# KiCad board weisse_cpu.kicad_pcb (continued)
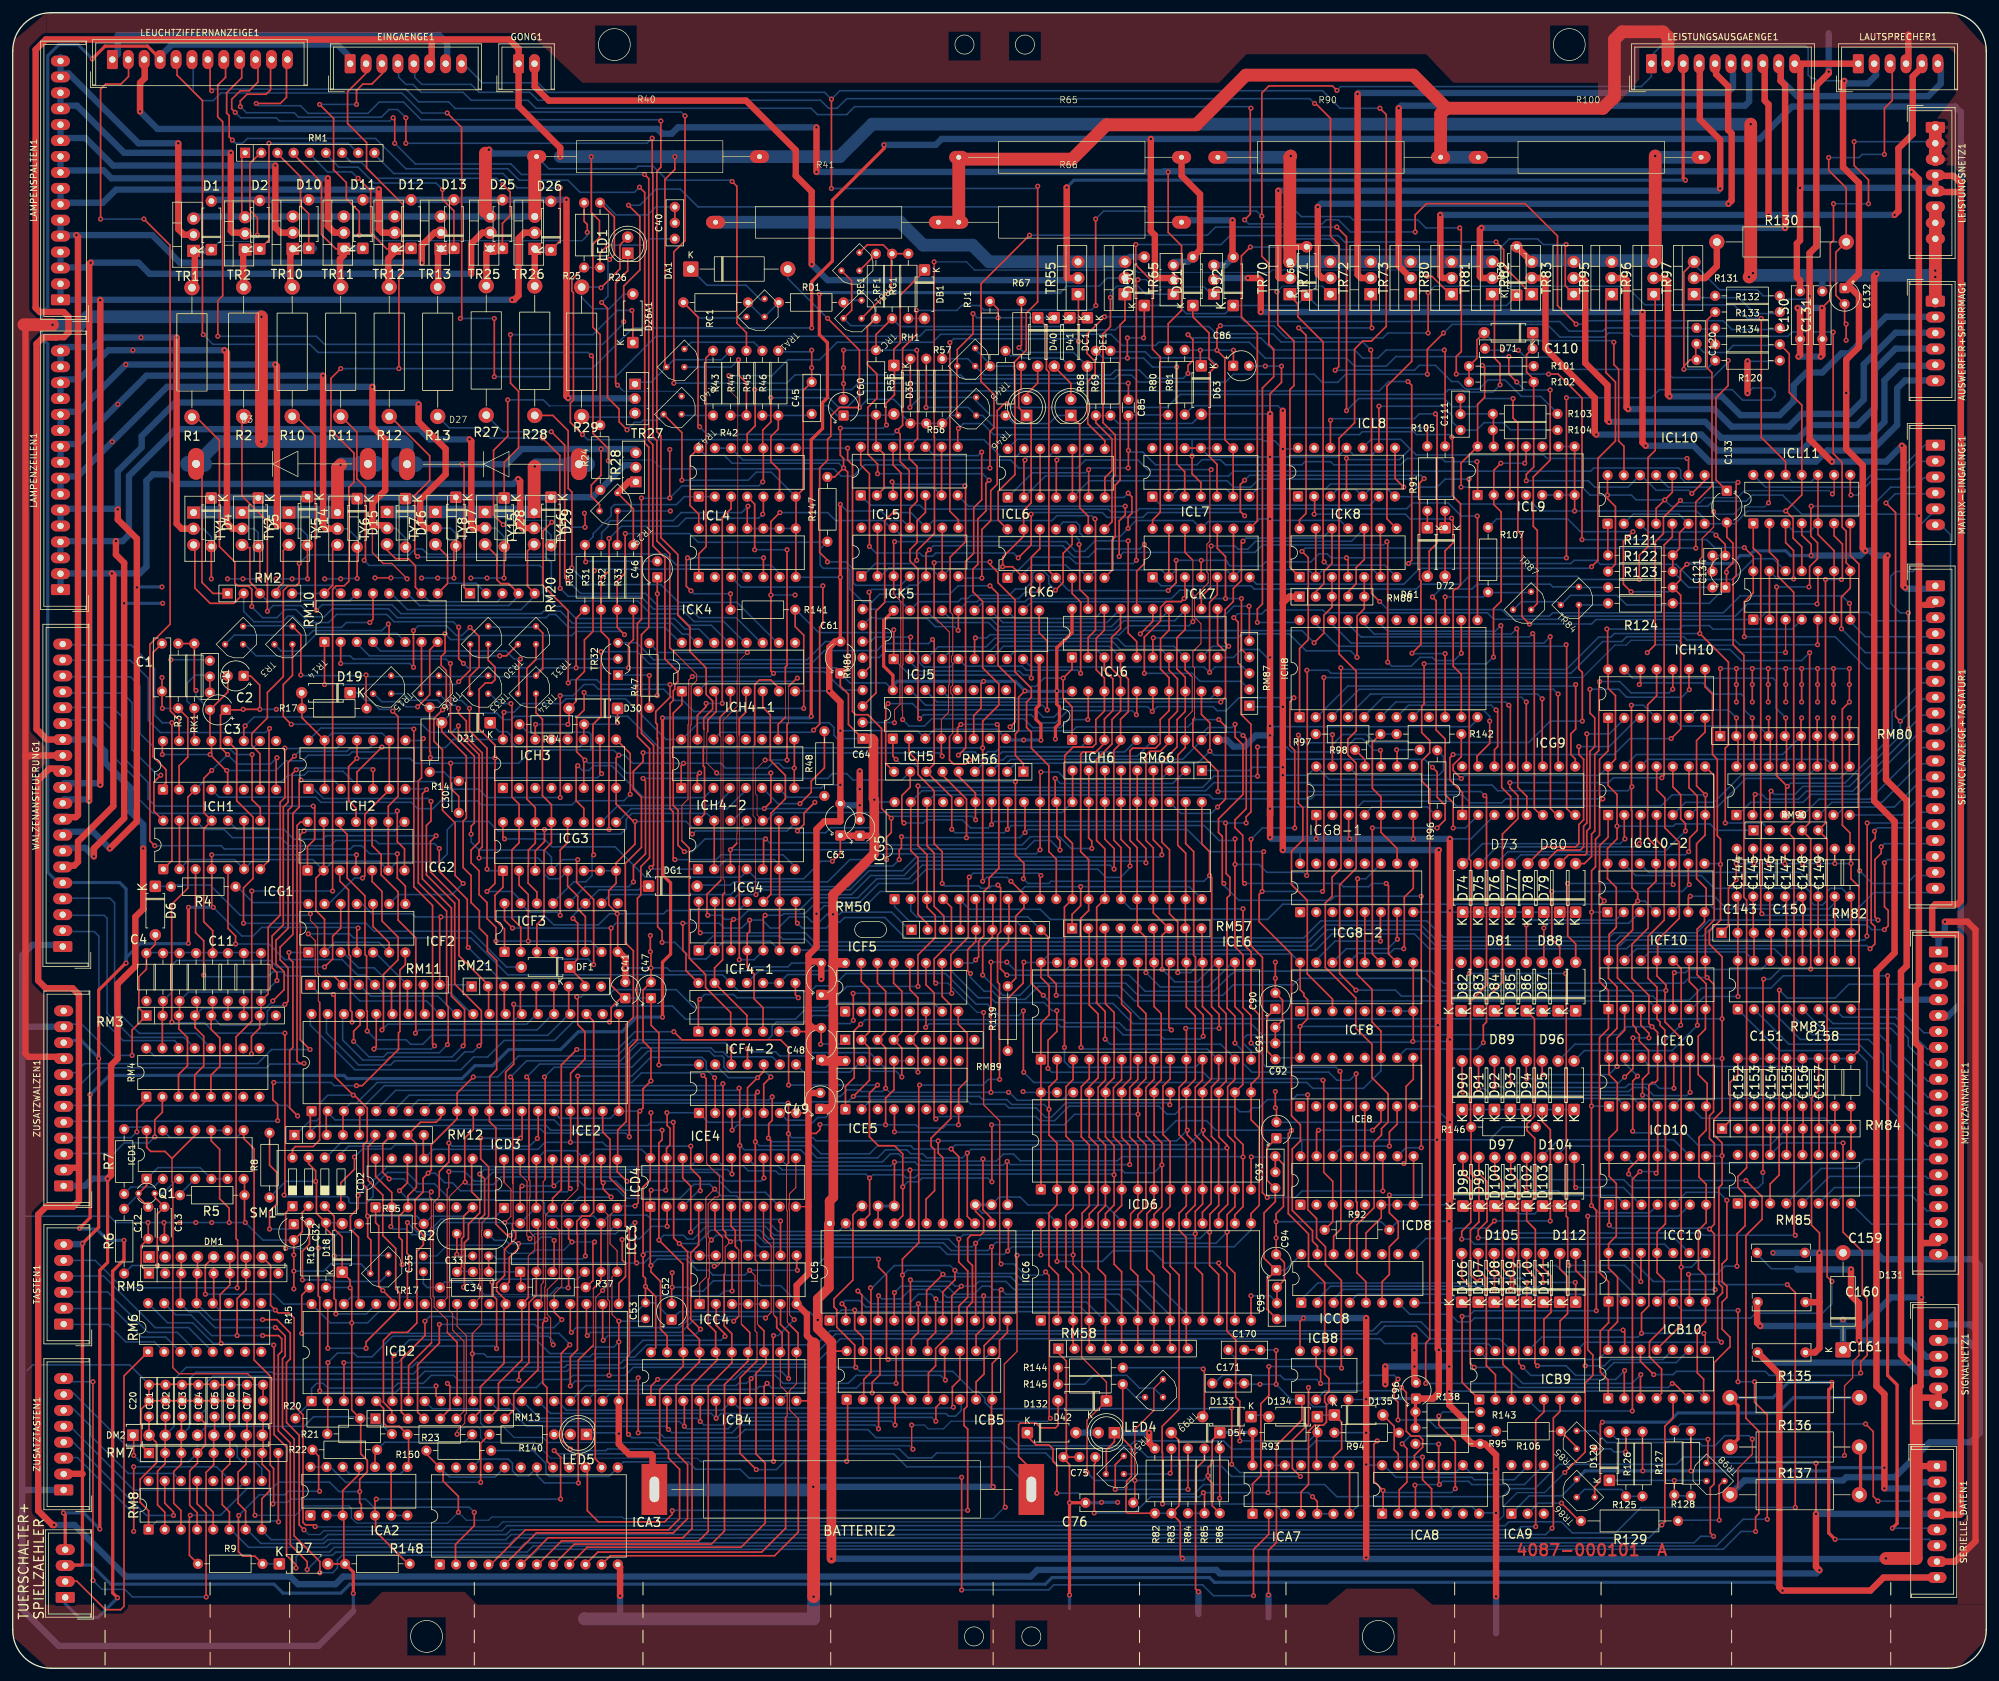
[diagram p0: board, top side]
## Routing (per net, layer and track width the routed paths; a pad name or vN(x,y) marks a point on that pad's centre or on a via; arc(x,y) is an arc through that point) (continued)
  Top w0.5: ICJ5.20 136.8,164.54 136.8,157.4 138.25,155.95 ICH5.16 ; R143.1 220.34,42.27 ; ICJ6.20 166.39,162.64 164,160.25 v1(164,153.5) 164,151.41 164.42,150.99 164.42,148.4 163.78,147.76 v1(163.78,145.94)
  Top w1: 299,43.6 299.67,44.27 299.67,97.43 298.91,98.19 298.91,107.08 299.42,107.59 v1(299.42,181) 299.42,233.83 v1(298.25,235) ; 199.5,167.28 v1(199.5,128.5) ; 199.5,167.28 200.52,168.3 RM88.1 ; 199.5,167.28 199.5,190.5 ; C96.1 223.1,42.35 224,43.25 v1(224,50) 223.86,50.14 223.86,128.35 v1(224,128.5) ; 300.25,167 301.54,167 302,167.46 ; 299,32 299.25,31.75 SERIELLE_DATEN1.1 ; 199.5,190.5 v1(199.5,197.5) ; 199.5,190.5 v1(199.5,191.5) ; 274,57.4 274,54.25 v1(274.5,53.75) ; 302.5,41.3 302.5,42.5 ; 302.5,42.5 299.1,42.5 ; 302.5,42.5 302.5,43.84 ; 20.73,252.65 20.73,249.73 20,249 v1(20,244.5) ; 130.03,130.75 C64.1 135,130.75 135.34,131.09 ; 300.25,66.75 300.28,66.78 302.5,66.78 ; v1(212.6,55) v1(212.6,42.25) v1(212.6,36.98) v1(212.6,17.4) ; v1(126.25,242) v1(126.25,235)
  Top w1.5: C49.1 128.72,87.85 128.9,88.03 ; 128.9,105.75 128.9,118.35 v1(128.85,118.4) 128.85,121.45 135.34,127.94 v1(135.34,136.41) 135.21,136.54 135.21,145.79 135,146 RM86.1 ; 128.9,105.75 128.9,95.4 ; 128.9,105.75 C50.1 ; 128.9,88.03 128.9,95.4 ; 128.9,88.03 128.9,73.95 128.31,73.36 ICC5.24 128.31,69.75 128.2,69.64 128.2,59.75 126.45,58 v1(126.45,54.7) 126.45,53.35 128.6,51.2 v1(128.6,17.2) ; 128.9,95.4 ICE5.16 127.15,95.4 C48.1 ; 128.9,110.8 130.72,110.8
  Top w2: 299,43.6 299,17.25 v1(294.25,17.25)
  Bottom w0.2: 202.22,128.46 202.26,128.5 ; ICB8.4 212.55,42.2 v1(212.6,42.25)
  Bottom w0.25: ICC4.13 ICC4.14 107.29,65.43 99.52,65.43 v1(99.01,64.92) ; ICG4.4 116.77,124 124.25,124 127,126.75 v1(128.75,126.75) ; R94.1 212.58,37 v1(212.6,36.98) ; v1(54.5,27.75) 51.25,27.75 49.77,29.23 41.74,29.23 40.76,28.25 36.85,28.25 32.62,24.02 v1(27.89,24.02) ; v1(227.5,185.5) 246.5,185.5 247.75,184.25 v1(250.5,184.25) 254.25,184.25 255,183.5 v1(259.5,183.5) 260.5,182.5 266.25,182.5 267.03,183.28 272.28,183.28 273.25,184.25 278,184.25 281,181.25 299.17,181.25 v1(299.42,181) ; v1(223.86,100.99) 223.85,100.98 223.73,100.98 223.55,100.8 v1(202.2,100.8) ; 213,32.02 213.13,31.9 ICA8.14 ; C47.1 C41.1 ; v1(199.5,141.5) 194.75,141.5 194.25,141 187.12,141 ; 202.5,83 232,83 234,85 R146.2 ; 202.5,83 202.25,83.25 C92.1 ; 202.5,83 202.5,81 ; 46.74,102.74 46.74,101.01 53.75,94 70.4,94 72.4,96 74.6,96 77.2,98.6 85.1,98.6 88,101.5 v1(93.75,101.5) ; ICE6.28 158.88,110.84 v1(158.83,110.89) ; ICE6.28 ICE6.27 ; ICE6.28 162.82,112.16 200.88,112.16 ICF8.16 ; 36.27,163.72 43.85,163.72 ; v1(59.39,69.36) 59.77,68.98 61.8,68.98 62.69,68.09 65.49,68.09 67.39,70 v1(77.3,70) 77.43,69.87 ICC3.14 82.11,72.28 ; C94.1 199.88,62.5 ICC8.16 ; v1(199.5,197.5) 198.73,198.27 185.47,198.27 R81.1 ; v1(45.25,156) 45.36,155.89 55.39,155.89 v1(55.5,156) 55.75,155.75 81.75,155.75 83.12,157.12 v1(96.73,157.12) 129.38,157.12 130,156.5 ; v1(230.84,204.62) 230.96,204.5 R101.2 ; v1(224,50) 224.18,49.82 ICB9.14 231.68,48.5 249.08,48.5 ICB10.14 ; 201.72,191.5 v1(199.5,191.5) 198.25,192.75 196.5,192.75 196.25,193 185.25,193 ; R16.1 52.95,59.8 v1(53,59.75) ; 250.6,141.6 249.23,140.23 228.05,140.23 v1(227.54,139.72) 227.41,139.59 206.79,139.59 ICG8-1.14 203.39,140.25 v1(199.5,140.25) ; v1(130.51,188.5) 129.76,189.25 113,189.25 111.75,190.5 108.88,190.5 ICL4.14 ; v1(78.5,116.25) v1(94,116.25) 94.75,117 111,117 111.75,116.25 114.5,116.25 v1(115.75,117.5) 117.75,117.5 119,116.25 120.25,116.25 122,118 124.75,118 125.5,117.25 126.75,117.25 127.9,118.4 129.85,118.4 130.2,118.75 138.05,118.75 140.83,115.97 ; 185.25,193 v1(185.25,190.39) ; 185.25,193 157.75,193 156.3,191.55 ; v1(137.25,195.25) 136.75,194.75 v1(130,194.75) ; ICH4-2.16 102.63,145.87 96.25,152.25 86.91,152.25 86.16,151.5 80.09,151.5 78.73,150.13 v1(77.17,150.13) ; ICH3.16 69.22,145.87 67.95,144.59 58.07,144.59 v1(57.99,144.67) 57.23,143.91 53.29,143.91 52.79,143.4 46.44,143.4 45.55,142.51 42.88,142.51 41.36,140.99 v1(33.61,140.99) ; DM2.5 30.44,38 45.75,38 47.25,39.5 54.31,39.5 ; v1(135.34,136.41) 135.71,136.04 ICG5.40 ; C3.2 28.78,152.72 v1(28.78,153.56) ; R20.2 56.95,39.25 ; 237.95,31.73 235.83,29.61 229.57,29.61 229.19,29.99 217.26,29.99 215.35,31.9 ; ICE8.16 198.24,95.87 ; v1(252,132.25) 260.85,132.25 261.2,132.6 266.6,132.6 267.6,131.6 RM90.1 ; ICD4.20 98.77,81.5 91.47,81.5 ICD3.11 88.49,81.28 83.63,81.28 ICD3.14 ; C61.1 131.51,154.75 136,154.75 136,154.75 137.12,154.75 ICH5.16 ; TR99.3 176.4,42.56 R145.2 ; v1(126.45,54.7) 125.15,56 104.75,56 C52.1 100.87,57.38 C53.2 98.01,56 57.5,56 55.75,54.25 v1(53.25,54.25) 49.89,54.25 ICB2.40 42.55,57.2 41,58.75 v1(30.25,58.75) ; v1(199.5,151) 194.42,151 ; v1(158.7,90.57) 158.84,90.44 ICD6.28 ICD6.27 ; RM86.1 129.5,146 129,146.5 129,147.75 128.25,148.5 107.75,148.5 105.12,145.87 ; R82.1 R83.1 ; 107.73,94.75 v1(101.5,94.75) ; 115.63,125.5 114.38,124.25 99.38,124.25 94.62,129 84.75,129 83.5,130.25 v1(77.25,130.25) ; 59.4,36.8 RM13.1 ; ICK11.4 279.52,163.2 267.05,163.2 266.5,163.75 262.35,163.75 261.8,163.2 250.41,163.2 v1(250.4,163.22) ; 74.83,163.5 82.05,163.5 ; ICD2.2 ICD2.1 ; ICG8-2.16 202.22,128.46 ; v1(31,143.5) v1(23.5,143.5)
  Bottom w0.5: ICH6.20 164.08,153.42 v1(164,153.5) 163.92,153.42 159.08,153.42 v1(159,153.5) 157.5,155 v1(152.5,155) 138.93,155 138.25,154.32 ICH5.16 ; C96.1 212.7,42.35 v1(212.6,42.25)
  Bottom w1: v1(20,244.5) 22.75,241.75 101.25,241.75 102,241 103.5,241 104.5,242 v1(126.25,242) ; v1(212.6,17.4) 212.83,17.17 294.17,17.17 v1(294.25,17.25) ; v1(212.6,55) v1(202.75,55) 199,55 ; v1(128.6,17.2) 183.7,17.2 v1(183.75,17.25) 183.83,17.17 212.77,17.17 212.8,17.2 ; v1(126.25,235) 180.75,235 ; 180.75,235 v1(181.5,235) ; 180.75,235 180.85,235.1 298.15,235.1 v1(298.25,235) ; D131.1 v1(287.5,54.75) 287.5,53.75 ; 287.5,53.75 290.54,53.75 295.04,58.25 v1(299.8,58.25) ; 287.5,53.75 v1(274.5,53.75) ; v1(199.5,128.5) v1(224,128.5)
  vias: v1(212.6,32) v1(223.73,83)
+8V: length 332.8
  Top w0.25: v1(186.69,174) 186.67,173.98 ICK7.4 ; v1(244.05,174.39) v1(244.05,199.54) ; v1(154.8,212.1) 154.8,213.43 153.58,214.65 ; v1(127.97,173.76) 128,173.79 128,174 126.75,175.25 126.75,188.5 128,189.75 128,193 128.5,193.5 128.5,196.66 129.84,198 v1(133,198) 133,207 v1(128,212) ; D40.1 162.37,210.73 162.37,203.97 162.74,203.6 162.74,172.38 ICK6.4 ; ICK8.4 209.76,174.14 v1(209.5,174.39) ; 148.29,196.98 148.29,204.43 ; v1(181.5,169.25) 182.75,170.5 v1(182.75,174) ; v1(150.83,212.75) 150.83,209.57 148.36,207.1 TR45.3
  Top w1: v1(272.5,205.25) v1(272.5,200.25)
  Bottom w0.25: ICK5.4 139.49,170.07 132.43,170.07 132,170.5 132,172.64 130.88,173.76 v1(127.97,173.76) ; TR46.3 147.29,196.76 146.03,195.5 ; ICK6.4 165.87,169.25 v1(181.5,169.25) ; v1(133,198) 134.28,199.28 138.38,199.28 139.65,198.01 139.65,196.85 RH1.1 R57.1 ; DA1.2 121.74,218.26 v1(128,212) ; v1(272.5,200.25) 273.31,201.06 276.18,201.06 276.81,200.43 276.81,199.79 276.18,199.16 271.73,199.16 270.08,200.81 258.65,200.81 257.38,199.54 v1(244.05,199.54) ; v1(182.75,174) v1(186.69,174) 190.59,174 190.83,173.76 190.83,173.5 191.22,173.12 196.17,173.12 196.8,173.76 203.92,173.76 205.19,175.03 206.46,175.03 207.09,174.39 v1(209.5,174.39) v1(244.05,174.39) ; v1(150.83,212.75) 151.48,212.1 v1(154.8,212.1) D40.1 D41.1 ; v1(272.5,205.25) 277.45,205.25
+12V: length 1503.1
  Top w0.25: ICG2.4 53.92,127.67 v1(54,127.75) ; RC1.1 107.65,212.19 107.65,195.22 v1(107.9,194.97) ; v1(226.25,143.5) 225.75,143 225.75,139.5 227.72,137.53 227.72,134.06 ; v1(282.5,174.75) 282.5,176.5 281.02,177.98 ICL11.4 ; v1(254.5,178.5) 253,177 253,170.27 v1(254.21,169.06) ; v1(31.5,119.5) 31.26,119.74 31.26,125.5 ; v1(170.1,227.6) 170.1,214.05 v1(170.13,214.02) ; ICF2.4 54.06,116.06 v1(54.25,116.25) ; v1(208,247.8) 207.3,248.5 197.3,248.5 196.2,247.4 v1(196.2,228.05) 196.2,221.75 197.31,220.64 197.31,207.92 198.07,207.16 198.07,202.84 196.3,201.06 196.3,167.15 195.5,166.36 v1(195.5,164.25) ; ICL5.4 140.82,188.09 139.41,189.5 139.41,192.67 139.4,192.68 139.4,193.82 v1(138.89,194.33) 139.78,195.22 139.78,207.28 141.94,209.44 v1(141.94,213.25) ; v1(260.5,146) 262,147.5 262,168.51 R123.2 261.95,170.94 261.95,172.36 v1(262.97,173.38) ; v1(31.25,127.75) 31.25,125.51
  Top w0.5: 23.27,252.65 21.17,254.75 14.5,254.75 v1(12.5,252.75) ; v1(17.8,110.75) 17.75,110.75 13.5,106.5 v1(13.5,95.75) 13.5,69.25 v1(10.95,66.7) 10.95,16.35 10.81,16.21 8.25,16.21 ; v1(27.6,113.85) v1(27.6,119.5)
  Top w1: v1(294.5,174.75) 294.25,174.5 294.25,139.55 297.5,136.3 297.5,110.3 296.6,109.4 v1(296.6,105) 296.6,49.2 v1(297.8,48) ; 301.97,14.25 293.85,14.25 291.8,12.2 v1(278,12.2) 277.5,12.7 277.5,46.2 C161.1 ; 10.95,30.5 10.91,30.54 8,30.54 ; v1(287.7,249.3) 287.5,249.1 287.5,235.75 290,233.25 290,219 C132.1 288.75,216.75 290,215.5 290,207.5 288,205.5 v1(288,200.3) 288,191.5 290.6,188.9 290.6,175.9 v1(291,175.5)
  Bottom w0.25: v1(208,247.8) 208.6,248.4 255.8,248.4 257.4,250 LEISTUNGSAUSGAENGE1.1 ; v1(141.94,213.25) 148.29,213.25 149.05,214.02 151.85,214.02 152.54,213.32 169.44,213.32 v1(170.13,214.02) ; v1(254.21,169.06) 260.07,169.06 R123.2 ; v1(287.7,249.3) 287.68,249.32 283.42,249.32 283.04,249.7 282.53,249.7 282.02,250.21 282.02,254.4 281.64,254.78 258.91,254.78 257.4,253.28 ; v1(254.5,178.5) 246.25,178.5 244.25,180.5 233.09,180.5 R107.1 ; v1(226.25,143.5) 251.5,143.5 254,146 v1(260.5,146) ; v1(31.5,119.5) 36,115 37.75,115 39.1,116.35 54.15,116.35 v1(54.25,116.25) ; 115.11,212.06 107.78,212.06 RC1.1 ; v1(107.9,194.97) 109.09,193.78 138.34,193.78 v1(138.89,194.33) ; v1(54,127.75) v1(31.25,127.75) ; v1(170.1,227.6) 171.35,228.85 195.4,228.85 v1(196.2,228.05) ; v1(195.5,164.25) 195.51,164.24 202.14,164.24
  Bottom w0.5: v1(27.6,119.5) v1(31.5,119.5) ; 8.25,16.21 12.39,16.21 15.4,13.2 41.05,13.2 42.45,11.8 51.55,11.8 52.95,13.2 162.2,13.2 163.25,14.25 188,14.25 188.75,13.5 276.7,13.5 v1(278,12.2) ; 7.85,123.91 6.59,123.91 5.5,125 5.5,208 4.5,209 4.5,212.75 5.5,213.75 5.5,253.25 7.25,255 10.25,255 v1(12.5,252.75) ; 7.96,123.4 16.8,123.4 17.8,122.4 v1(17.8,110.75) 17.8,111.6 20,113.8 27.55,113.8 v1(27.6,113.85) ; v1(13.5,95.75) 13.5,95.85 10.75,98.6 8.01,98.6 ; v1(282.5,174.75) 279.25,174.75 278.5,175.5 273.5,175.5 272.75,174.75 271.33,174.75 270.08,173.5 269.52,173.5 269.52,173.5 268.48,173.5 268.48,173.5 267.52,173.5 267.52,173.5 266.48,173.5 266.48,173.5 263.1,173.5 v1(262.97,173.38)
  Bottom w1: 292.69,252 292.69,250.19 291.4,248.9 288.1,248.9 v1(287.7,249.3) ; C161.1 275.7,48 v1(297.8,48) 299.42,46.38 302.5,46.38 ; v1(10.95,66.7) 10.9,66.7 10.8,66.6 8.15,66.6 ; v1(282.5,174.75) 290.25,174.75 v1(291,175.5) 291.75,175.5 292.5,174.75 v1(294.5,174.75) ; 23.27,253.27 25,255 51,255 53,253 ; 302.38,105 v1(296.6,105)
+20V: length 792.8
  Top w0.25: 266.27,32.6 v1(266.27,35.96) ; v1(283.25,32.2) v1(283.25,24.25)
  Top w1: 302.5,109.96 305.96,109.96 306,110 ; v1(283.25,24.25) 283.25,15.95 v1(283.8,15.4) ; 306,110 306,114.75 305.5,115.25 301.75,115.25 301.5,115.5 301.5,119.5 302,120 305.48,120 306,120.52 306,231.75 ; 306,110 306,24.25 305.88,24.13 302.25,24.13 ; v1(6.5,22.5) 6.25,22.5 4,24.75 4,71.25 5.25,72.5 9.5,72.5 10.4,73.4 10.4,78.6 ; 306,231.75 305.91,231.84 302,231.84 302,234.38 304.87,234.38 306,233.25 306,231.75 ; LAUTSPRECHER1.1 280.26,252 280.8,251.46 280.8,232.45 ; 10.4,78.6 10.4,105.8 9.4,106.8 5.2,106.8 4,108 4,139.51 5.78,141.29 7.85,141.29 ; 10.4,78.6 8.31,78.6 ; C130.2 280.75,217.95 280.25,218.45 280.25,223.75 280.75,224.25 v1(280.75,232.5)
  Bottom w0.25: 266.25,32.2 v1(283.25,32.2) ; D120.2 251.96,35.96 v1(266.27,35.96)
  Bottom w1: v1(6.5,22.5) 9.7,22.5 17.8,14.4 43.6,14.4 44.8,13.2 50.7,13.2 51.9,14.4 159.9,14.4 160.95,15.45 189.05,15.45 189.6,14.9 283.3,14.9 v1(283.8,15.4) ; v1(280.75,232.5) 301.34,232.5 302,231.84 ; 302.13,24.25 v1(283.25,24.25)
+40V: length 1005.1
  Top w0.25: R24.2 92.28,209.44 91.12,210.6 91.12,223.65 92.16,224.68 92.16,227.35 90.89,228.62 v1(90.89,237.4) ; v1(104,237.4) 104,235.38 102.44,233.83 102.44,204.58 ; R126.2 256,31.05 v1(256.05,31) ; R128.2 v1(263.6,31)
  Top w0.5: 8.25,18.75 8.25,24.11 v1(7.96,24.4) ; v1(13.67,21.87) 13.67,62.5 14.9,63.73 v1(14.9,76.9)
  Top w1: v1(292.75,219) 292.4,218.65 292.4,136.2 295.6,133 295.6,112.35 292.75,109.5 292.75,44.3 294,43.05 v1(294,28.25) ; v1(14.9,76.9) 15.45,77.45 15.45,94.7 16.46,95.71 16.46,107.46 19.26,110.26 19.26,118 20.5,119.25 v1(20.5,128.75) ; v1(86,237.4) 86,238.8 79.46,245.34 GONG1.1 79.46,254.34 78,255.8 65.8,255.8 ; 65.8,255.8 5.2,255.8 3.6,254.2 3.6,213.65 4.25,213 8,213 8.75,212.25 8.75,209.75 8.05,209.05 6.86,209.05 6.81,209 4.75,209 3.75,208 3.75,147.5 5.4,145.85 7.33,145.85 ; 65.8,255.8 65.8,252.1
  Top w2: 302,229.3 v1(302,219.5) v1(302,218.5) AUSWERFER+SPERRMAG1.1 ; v1(272.75,218.5) 273,218.75 v1(273,242.5)
  Bottom w0.25: R43.2 111.34,205.5 103.82,205.5 TR40.3 100.32,202 100,202 99.98,201.98 97.74,201.98 ; 245.66,29.45 243.29,27.07 238.21,27.07 ICA9.1
  Bottom w0.5: TR86.3 246.97,31 v1(256.05,31) v1(263.6,31) 285.15,31 285.65,31.5 293.5,31.5 ; v1(7.96,24.4) 11.13,24.4 v1(13.67,21.87)
  Bottom w1: ZUSATZWALZEN1.1 11.35,75.75 12.5,76.9 v1(14.9,76.9) ; C131.2 284.25,218.68 284.18,218.75 ; v1(294,28.25) 298.95,28.25 299.91,29.21 302.25,29.21 ; 8.37,145.85 12.65,145.85 14.5,144 14.5,142.25 18.5,138.25 18.5,134.5 20.5,132.5 v1(20.5,128.75)
  Bottom w2: v1(272.75,218.5) 273,218.75 301.25,218.75 v1(302,219.5) v1(302,218.5) ; v1(86,237.4) v1(90.89,237.4) v1(104,237.4) R40.2 129.9,237.4 135,242.5 v1(273,242.5)
  vias: v1(273.35,219.1) v1(294,31.5)
+40V_LAMPEN: length 149.9
  Top w0.25: v1(113,233.5) 113.75,232.75 113.75,211.25 115.25,209.75 R44.2 ; 35.98,237.6 35.98,228.52
  Top w1: 74.25,237.95 v1(74.8,238.5) ; TR25.3 74.25,228.75
  Top w2: 74.25,228.75 74.25,237.95 ; TR26.3 82,237.1
  Bottom w0.25: R40.1 84.2,235.5 97.85,235.5 98.25,235.9 100.6,235.9 102.8,233.7 112.8,233.7 v1(113,233.5)
  Bottom w1: 81.81,237.89 75.41,237.89 v1(74.8,238.5) ; 28.72,228 TR26.3
GND: length 3990.8
  Top w0.15: v1(95.2,54.5) 94.12,55.58 94.12,61.43 ICC3.7 94.94,65.56 93.83,66.67 93.83,71.16 ICD3.8
  Top w0.2: 125,72.54 124.96,72.5 ICD4.10 ; v1(273.25,36) 273.25,33.62 271,31.38 271,28.5 R137.1
  Top w0.25: v1(92.5,214.5) 93.43,213.57 93.43,199.57 95.25,197.75 95.25,195.75 v1(96.5,194.5) ; C95.2 199.75,61.01 199.75,63.71 C94.2 v1(198.45,67.58) v1(198.45,70.12) 198.45,71.39 199.6,72.54 199.6,79.14 C93.2 198.33,77.87 ; C133.2 269.25,177.64 270.21,176.68 270.21,173.63 269.19,172.61 v1(269.19,172.11) 269.19,169.94 ; v1(44.15,59.58) v1(44.15,62.38) v1(44.15,64.92) C32.2 45.47,68.57 45.47,71.57 SM1.2 ; RF1.1 135.6,209.45 R55.1 ; v1(219.92,98.45) 220,98.53 ICF8.8 ICF8.9 ; TR97.3 262.5,219.26 v1(262.5,204) 262.5,204.5 263.5,205.5 264.5,205.5 ; R134.2 279.05,206.45 279.05,200.35 281.02,198.38 ICL11.11 281.02,184.27 v1(278.5,181.75) 279.65,180.6 279.65,177.5 281.02,176.13 ICK11.11 ; C27.2 39.32,42.06 ; v1(137.1,85.35) 137.11,85.36 137.11,89.56 138.42,90.86 ICE5.13 ; ICF5.8 148.53,101.13 149.94,99.72 149.94,92.35 148.58,90.99 ICE5.8 148.58,85.38 v1(148.55,85.35) ; v1(59.95,49.2) 59.64,48.89 ICB2.6 ; 56.25,62.08 56.25,67.25 55.75,67.75 v1(55.75,71) 55.58,71.17 55.58,75.46 55.07,75.97 55.07,82.19 55.69,82.81 55.69,87.97 53.66,90 v1(53.5,90) 50.66,92.84 50.66,105.53 v1(50.37,105.81) ; ICC5.12 156.25,52.75 155,51.5 155,49 153.86,47.86 ICB5.10 ; C2.1 37.35,155.85 38.8,154.4 v1(38.8,150.6) v1(36.2,150.6) 36.12,150.52 C3.1 32.63,149.67 32.63,144.62 v1(33.75,143.5) ; v1(198.33,90.57) v1(198.33,88.03) 198.5,87.86 C92.2 ; v1(142,207) 142.12,206.88 142.12,193.12 ICL5.11 140.82,189.99 142.07,188.74 142.07,183.28 140.92,182.13 ICK5.11 ; v1(100.16,115.08) v1(100.16,112.54) 100.25,112.45 v1(100.25,110) C47.2 99,106.5 99,98.5 100.25,97.25 v1(100.25,92.25) 99,91 99,88 v1(98.5,87.5) 98.25,87.25 98.25,73.1 v1(97.75,72.6) ; 214.6,191.68 v1(214.6,198.2) ; v1(210,130.25) 209.84,130.41 ICG8-1.3 ; v1(175.21,184.55) 175.8,183.97 175.8,181.4 175.2,180.8 v1(175.2,179) ; ICH1.8 41.38,142.88 v1(41.5,143) ; D7.2 R148.1 ; C24.2 C25.2 ; ICL6.7 171.54,186.97 172.67,188.1 172.67,193.09 170.13,195.62 R68.1 ; ICH4-2.9 122.78,141.39 v1(122.76,141.37) 122.76,138.27 ; RM5.1 20.17,63.23 20.17,66.34 C12.2 21.29,69.96 v1(21.25,70) ; ICF10.7 265.89,100.39 264.75,99.25 264.75,93.25 266.16,91.84 266.16,88.42 ; C146.2 278.4,126.45 v1(278.34,126.39) ; RM58.1 164.25,49.5 165.5,48.25 165.5,32.5 166,32 v1(166,26) ; ICG8-1.1 204.76,130.26 v1(204.75,130.25) ; ICB2.20 v1(95.2,51.25) 95.2,54.5 v1(95.2,54.5) ; ICG3.6 ICG3.7 ; 198.33,98.32 C91.2 199.45,101.78 199.45,104.94 C90.2 v1(198.33,108.35) v1(198.33,110.89) ; RM80.1 268.2,156.95 v1(268.25,157) ; C52.2 103.5,59.75 v1(103.59,59.84) v1(103.59,62.12) ; RM82.1 269.5,116.6 269.5,122.5 270.72,123.72 v1(270.72,123.85) v1(270.72,126.39) 270.8,126.47 C143.2 ; ICL7.12 ICL7.11 ; C170.2 C170.2 ; 36.41,76.72 R5.2 36.41,70.12 v1(36.53,70) ; C40.2 C40.2 ; ICE4.7 124.94,87.2 125,87.14 ; ICD1.10 31.2,82.8 32.5,81.5 32.5,73.75 34,72.25 v1(34,70) ; ICA2.11 54.37,30.43 51.83,27.89 ICA2.3 ; C147.2 281,126.52 v1(281.13,126.39) ; v1(275.75,157) v1(275.75,154.5) v1(275.75,151.75) ; v1(93.75,221.25) 94.5,222 94.5,227.91 R26.2 ; 125,84 126.2,84 126.8,84.6 v1(126.8,85.4) ; v1(18.75,96.25) 18.75,100.24 RM3.1 19.8,103.71 19.8,108.6 21,109.8 C4.2 22.4,113.7 D6.2 ; v1(126.9,98) 127,98.1 C48.2 ; v1(167.75,122.75) 167.75,119.75 166.4,118.4 RM57.1 ; v1(245.34,181.75) ICL9.7 ICL9.8 ; v1(283.5,157) v1(283.5,154.5) v1(283.5,151.75) ; v1(130.5,207) v1(130.5,204.25) v1(130.5,201.75) 130.51,201.74 C60.2 ; ICK4.8 ICK4.7 ; v1(95.2,143.4) 94.78,142.98 ICH3.8 94.78,135.72 97.5,133 v1(97.75,133) 97.75,129.44 94.78,126.47 ICG3.8 94.78,123.28 93.62,122.12 93.62,119.88 94.95,118.55 v1(94.95,118.5) 95.03,118.42 ICF3.8 ; v1(281,151.75) v1(281,154.5) v1(281,157) ; 266,88.24 266,84.5 264.88,83.38 264.88,77.12 266,76 ICD10.7 266,70 264.79,68.79 264.79,62.71 265.91,61.59 ICC10.7 265.91,54.41 264.6,53.1 264.6,46.4 265.6,45.4 265.6,42.64 ; ICG10-1.7 265.84,130.84 264.5,129.5 264.5,124 266,122.5 266,119.01 ; C158.2 290,97.02 290,122.75 288.75,124 v1(288.75,126.39) 288.75,128.55 ; ICK4.11 115.38,182.38 v1(115.5,182.5) ; 21.4,42.2 C20.2 ; v1(286,151.75) v1(286,154.5) v1(286,157) ; v1(273.25,157) v1(273.25,154.5) v1(273.25,151.75) ; C30.1 70.06,136.94 68.79,138.21 v1(68.79,142.13) ; v1(270.75,157) v1(270.75,154.5) v1(270.75,151.75) ; RM7.1 20.19,35.01 20.19,40.71 21.54,42.06 ; v1(186.25,12) 185.8,12.45 185.8,31.3 187.2,32.7 R85.2 ; 69.75,62.25 70.5,63 70.5,67.48 70.83,67.8 70.83,70.99 ICD2.7 ; v1(194.55,80.3) 194.52,80.27 ICD6.14 ; TRB1.3 131.78,217.89 131.78,213.28 TRC1.3 ; ICC8.12 212.56,68.36 214.96,70.76 ICD8.6 ; ICG2.11 53.92,135.08 52.75,136.25 52.75,141.59 v1(54.06,142.9) 54.07,142.91 ICH2.11 ; v1(278.5,151.75) v1(278.5,154.5) v1(278.5,157) ; ICG10-2.7 265.74,117.24 264.58,116.09 264.58,108.91 266,107.5 266,103.63 ; C75.2 C75.2 ; 265.89,134.05 v1(265.89,137.18) 264.5,138.58 264.5,145.69 265.84,147.03 ICH10.7 ; C151.2 270.97,93.22 269.75,92 269.75,86 RM84.1 ; 287.4,141.37 287.4,132.4 288.6,131.2 C150.2 ; ICA7.8 ICA7.7 ; 264.37,207.92 264.37,205.63 ; v1(125.5,207) v1(125.5,204.25) C45.2 124.16,200.66 124.16,185.17 ICL4.7 ; v1(105.11,186.58) 105.11,194.06 TR41.3 ; C20.2 C26.2 ; v1(23.75,70) 23.75,69.75 23.83,69.67 C13.2 ; C149.2 286.2,126.4 v1(286.21,126.39) ; v1(275.8,126.39) 275.8,126.39 C145.2 ; C148.2 283.6,126.46 v1(283.67,126.39) ; ICD8.9 ICD8.8 ; ICB4.10 125.8,42 ; 125,99.97 124.97,100 ICF4-2.7 ; v1(273.51,126.39) 273.4,126.5 C144.2 ; 123.04,183.95 123.04,179.04 ; C156.2 283.67,90.7 282.54,89.57 282.54,69.6 283.8,68.35 v1(283.8,65.25) ; v1(31.25,141) 30,139.75 30,134.38 31.26,133.12 30,131.85 30,117.25 31.4,115.85 C8.2 ; 194.5,55.01 v1(194.5,58.5) ; 198.58,57.58 198.58,60.09 ; 21.48,44.6 31.62,44.6 ; v1(67.25,118) 67.07,117.82 RM11.9 ; 202.5,41.9 202.5,39 198.5,35 198.5,19.75 197.25,18.5 v1(197.25,11.5) ; v1(197.5,197) 197.5,200.15 199.3,201.95 v1(199.3,204.5) ; v1(154,28.5) 153.75,28.75 153.75,42.09 ; ICG8-1.7 v1(220,130.25) ; ICH4-2.1 105,141.77 v1(105.36,142.13) ; v1(198.45,44.6) v1(198.45,49.93) ; ICE2.20 ICE2.21 ; 287.39,141.37 287.39,150.65 v1(288.5,151.75) v1(288.5,154.5) v1(288.5,157) ; 52,24 52,16.6
  Top w0.5: ICJ5.10 161.24,151.24 160.75,150.75 160.75,149 161.5,148.25 v1(161.5,145.75) ; R148.1 53.5,15.1 v1(53.5,11.75) ; C76.1 v1(166,26) v1(166,11.5) ; 130,161.25 v1(130,182.8)
  Top w1: 126.25,50.75 124.75,52.25 124.75,55.59 ICC4.7 123.14,60.14 125,62 125,90.4 ; 197.5,134 v1(197.5,197) ; 197.5,134 v1(197.5,135) ; 197.5,134 v1(197.5,130.5) ; v1(197.5,146.5) v1(197.5,148) ; C64.2 v1(133.05,135.53) v1(133.05,138.07) v1(133.05,140.86) ; v1(296.75,192) 297,191.75 297,169.98 v1(297.25,169.73) ; v1(285.75,189.5) 282.25,193 282.25,222.25 283.3,223.3 283.3,248.55 285.25,250.5 v1(285.25,250.75) ; 283.7,57.5 283.8,57.6 v1(283.8,65.25) ; 283.7,57.5 283.8,57.4 283.8,50.3 283.1,49.6 C161.2 ; 283.7,57.5 C160.2 ; C48.2 125.7,100.55 125,101.25 125,112 126.25,113.25 v1(126.25,118.5) 126.25,131.75 127.5,133 130,133 v1(130,147.25) 130,151.75 v1(128.25,153.5) 128.25,160.32 129.18,161.25 C61.2 ; v1(225.75,130.25) v1(225.75,119) v1(225.75,98.75) ; v1(225.75,98.75) v1(225.75,85.75) v1(225.75,73) ; v1(225.75,98.75) 225.65,98.65 v1(225.65,70.2) v1(225.65,47.39) 225.65,41.35 228,39 228,36.5 229.25,35.25 R95.2 231.25,35.25 233,33.5 v1(233,31.25) v1(233,24.4) v1(233,11.27) ; v1(220.17,52.22) v1(220.17,49.93) v1(220.17,47.39) 220.17,45 ; 125,103.75 125,90.4 ; 96.25,107.78 96.25,111.5 95.25,112.5 ; 125,90.4 125.05,90.35 C49.2 ; ICB2.20 95.2,36.86 v1(95.2,36.85) 95.2,35.2 96.8,33.6 100.3,33.6 100.5,33.4 100.5,28 ; ICA3.12 95.4,15.94 v1(95.4,11.4) ; 125.5,111 126.75,111 C50.2 v1(127,108.25) ; v1(215.6,47.39) v1(215.6,44.6)
  Top w2: v1(125.8,11.25) 125.8,50.95
  Bottom w0.25: C171.2 191,44.75 ; v1(214.6,198.2) 224.6,198.2 226.14,196.66 226.14,195.73 C111.1 229.96,194.46 231.12,195.62 234.12,195.62 235.25,194.5 242.61,194.5 ; R124.2 266.5,167.25 C134.1 ; v1(92.5,214.5) 93.5,215.5 93.5,221 v1(93.75,221.25) ; ICE8.8 223.25,88.25 v1(225.75,85.75) C92.2 ; v1(197.5,158.75) 197,158.75 195.75,160 193,160 191.75,158.75 ICJ6.10 ; v1(268.25,157) v1(270.75,157) v1(273.25,157) v1(275.75,157) v1(278.5,157) v1(281,157) v1(283.5,157) v1(286,157) v1(288.5,157) ; v1(262.5,204) 266.04,204 R120.1 ; ICA7.7 211.25,25.5 224.02,25.5 ICA8.5 226.38,25.4 229.21,25.4 ICA8.7 ; 8,101.15 10.85,101.15 15.75,96.25 v1(18.75,96.25) ; 217.17,184 226.25,184 227.4,182.85 238.85,182.85 239.95,181.75 v1(245.34,181.75) 264.5,181.75 265.76,180.49 ICL10.7 270.5,179.75 272.5,181.75 v1(278.5,181.75) ; v1(194.5,58.5) 197.5,58.5 198.5,57.5 ; v1(225.75,130.25) 229.05,130.25 232.75,133.94 ; v1(105.11,186.58) 115.52,186.58 116.79,187.85 119.14,187.85 ICL4.7 ; ICK5.11 139.8,180.25 137.89,180.25 136.39,181.75 131.05,181.75 v1(130,182.8) ; v1(288.75,126.39) v1(286.21,126.39) v1(283.67,126.39) v1(281.13,126.39) v1(278.34,126.39) v1(275.8,126.39) v1(273.51,126.39) v1(270.72,126.39) ; TR17.3 54.67,63.5 49.97,63.5 48.85,62.38 v1(44.15,62.38) ; DE1.1 DC1.1 164.66,210.71 139.4,210.71 RF1.1 137,210.86 131.64,210.86 TRC1.3 ; ICE5.13 ICE5.12 ; C40.2 101,229.5 99.75,228.25 94.75,228.25 92.84,230.16 ; v1(54.06,142.9) 62.44,142.9 63.2,142.13 v1(68.79,142.13) 79.46,142.13 81.55,144.23 90.82,144.23 ; v1(98.5,87.5) 95,87.5 93.88,86.38 85.97,86.38 84.84,87.5 ; v1(175.21,184.55) 174.54,183.88 ICL6.7 ; ICL8.9 213.46,190.54 210.63,190.54 ICL8.11 208.09,190.25 188,190.25 ICL7.11 ICL7.10 ; 230.46,24.4 v1(233,24.4) ; ICH4-2.8 127,138.25 127.5,138.75 v1(130,138.75) ; ICB9.7 245.6,43.5 245.57,43.52 ; C158.2 271.01,95.75 ; 64.56,69.9 63.46,71 v1(55.75,71) ; 90.82,144.23 90.89,144.17 94.44,144.17 v1(95.2,143.4) 96.1,143.4 97.37,142.13 v1(105.36,142.13) 111.21,142.13 111.97,141.37 118.57,141.37 119.33,142.13 120.35,142.13 121.11,141.37 v1(122.76,141.37) ; 90.82,144.23 90.82,146.68 90.5,147 80.84,147 R34.2 ; ICC8.8 v1(225.65,57.4) ; v1(53.5,90) 49.5,90 48.21,88.71 48.21,86.47 47.74,86 46.68,86 44.68,84 ; v1(161.5,145.75) 161.25,145.75 ; 122.95,153.5 v1(128.25,153.5) ; ICF8.6 ICF8.8 ; ICH5.8 154.56,147.47 144.8,147.47 ICH5.3 142.08,147.25 v1(130,147.25) ; v1(96.5,194.5) 97.68,195.68 98.68,195.68 99,196 101.29,196 TR41.3 ; D73.1 226,118.75 v1(225.75,119) 225.5,118.75 ICG8-2.8 ; v1(225.65,43.45) 225.72,43.52 245.57,43.52 ; 90.38,36.98 95.08,36.98 v1(95.2,36.85) ; ICF4-2.10 ICF4-2.9 121.73,108.95 126.4,108.95 127,108.35 v1(127,108.25) ; 261,167 253.5,167 252,168.5 244.67,168.5 TR84.3 242.67,167.5 236.96,167.5 235.57,166.1 ; 186.77,197 v1(197.5,197) ; 120.41,206.75 125.25,206.75 v1(125.5,207) ; v1(95.2,54.5) 99.52,54.5 ; ICA2.2 ICA2.3 ; ICB8.1 200.85,42.2 v1(198.45,44.6) v1(195.92,44.6) 193.9,44.6 ; C48.2 127,98.1 v1(126.9,98) 126.95,98.05 130.11,98.05 ; v1(97.75,133) 105.75,133 106.75,132 114.5,132 115.63,133.12 ; 230.08,149 228.95,147.88 197.62,147.88 v1(197.5,148) ; C32.2 39.28,67.24 v1(36.53,70) 36.53,70 v1(34,70) v1(31.25,70) v1(28.75,70) v1(26.25,70) v1(23.75,70) v1(21.25,70) 16.21,70 15.21,71 1.5,71 ; v1(197.5,135) 197.78,135.28 211.28,135.28 212.17,136.16 226.01,136.16 226.78,135.4 258.91,135.4 260.69,137.18 v1(265.89,137.18) ; v1(130.5,207) R55.1 v1(142,207) ; v1(225.75,98.75) 225.45,98.45 v1(219.92,98.45) 219.79,98.32 196.36,98.32 195.22,99.46 193.88,99.46 193.25,98.83 193.25,98.19 194.52,96.92 ICE6.14 ; 92.5,176.25 92.5,178.32 93.57,179.39 93.57,179.93 93.87,180.23 103.73,180.23 105,181.5 114.5,181.5 v1(115.5,182.5) ; ICL9.5 ICL9.7 ; v1(225.65,70.2) 217.58,70.2 R92.2 214.96,70.12 v1(198.45,70.12) ; D63.2 185.27,195.5 173.66,195.5 R69.1 R68.1 ; ICD1.10 ICD1.9 ; v1(130,171.34) 123.04,171.34 ; 96.5,110 96.25,110.25 ; v1(41.5,143) 40.5,142 35.25,142 v1(33.75,143.5) v1(31.25,141) ; 123.14,57.56 120.6,60.09 117.56,60.09 116.79,60.85 110.06,60.85 108.41,59.2 106.63,59.2 106,59.84 v1(103.59,59.84) ; v1(95.2,51.25) 94.39,50.44 90.89,50.44 89.87,49.42 84.38,49.42 82.2,51.6 62.35,51.6 v1(59.95,49.2) ; ICF4-1.11 114,119 102.75,119 102.25,118.5 v1(94.95,118.5) 93.75,118.5 92,116.75 85,116.75 83.75,118 v1(67.25,118) 63.25,118 62.75,118.5 56.44,118.5 54.52,120.42 ; 264.11,220.49 268.11,216.5 274,216.5 274.96,215.54 R131.2 278.12,215 281.75,215 v1(282.25,215.5) ; v1(233,31.25) 232.38,30.63 229.06,30.63 ICA8.9 226.42,30.53 224.08,30.53 ICA8.11 ; RM11.9 71.84,107.34 ; ICB10.7 264.71,43.52 245.57,43.52 ; 95.27,72.6 v1(97.75,72.6) ; C25.2 C27.2 ; 227.5,118.75 246,118.75 ; v1(96.25,110) v1(100.25,110) 102.75,110 103.25,109.5 115.75,109.5 116.4,110.15 121.75,110.15 122.35,110.75 C50.2 ; 70.41,62.33 72.21,62.33 ; 21.1,112.4 38.9,112.4 ; ICK4.11 ICK4.8 ; v1(199.3,204.5) v1(196.75,204.5) 194.25,204.5 ; v1(194.55,80.3) 198.44,80.3 ; v1(198.45,49.93) 198.39,50 C170.2 ; ICL8.3 208.09,185.17 210.92,185.17 ICL8.5 213.17,185.17 216,185.17 ICL8.7 ; v1(38.8,150.6) v1(41.4,150.6) ; 264.37,207.92 265.64,206.65 269.15,206.65 270.25,207.75 277.41,207.75 ; v1(126.25,118.5) 127.5,119.75 134,119.75 136.25,122 158.25,122 159,122.75 v1(167.75,122.75) 184.83,122.75 ICG5.20 ; ICF4-2.6 ICF4-2.7 ; C61.2 127.65,161.25 124.8,158.39 100.66,158.39 98,161.06 95.08,161.06 ; v1(225.75,73) 225.54,72.79 ICD8.6 ; 64.66,69.8 65.86,71 70.84,71 ICD2.7 ; TR85.3 248.56,37.29 250.4,35.45 264.88,35.45 265.38,34.95 267.37,34.95 268.95,36.52 272.73,36.52 v1(273.25,36) ; v1(126.8,85.4) 126.85,85.35 v1(137.1,85.35) 141.85,85.35 142.35,84.85 146.15,84.85 146.65,85.35 v1(148.55,85.35) ; 21.4,44.6 18.35,47.65 3.15,47.65 2.25,46.75 ; ICK6.11 165,180 167.07,180 167.59,179.47 167.59,178.33 168.18,177.75 173.94,177.75 v1(175.2,179) 176.45,180.25 185.39,180.25 ICK7.11 187.8,180.1 195.4,180.1 195.8,180.5 v1(197.5,180.5) 197.73,180.27 208.48,180.27 ICK8.11 ; RM11.1 48.09,106 50.19,106 v1(50.37,105.81) ; ICG3.7 ICG3.8 ; ICL9.9 ICL9.8
  Bottom w0.5: v1(53.5,11.75) 53.5,9 ; 166,9.38 v1(166,11.5) ; v1(161.5,145.75) 161.47,145.78 v1(158.8,145.78) 156.25,145.78 ; C76.1 170.97,26 v1(171.02,26.06) v1(173.56,26.06)
  Bottom w1: LEUCHTZIFFERNANZEIGE1.1 16.5,253.5 16.5,256.5 66.98,256.5 68.24,255.24 68.24,252 ; v1(197.5,146.5) 195.25,146.5 193.5,144.75 191.75,144.75 190.7,145.8 ICH6.10 ; v1(133.05,135.53) 130.25,135.53 C63.2 ; v1(186.25,12) 186.25,8.5 ; R137.1 272,29.5 287.5,29.5 288,30 295.62,30 301.12,35.5 307.5,35.5 309,37 309,49.5 ; 1.5,27.96 2.24,27.96 2.28,28 ZUSATZTASTEN1.1 ; 1.5,27.96 1.5,9.25 7.25,3.5 48,3.5 53.5,9 ; 1.5,27.96 1.5,100.86 ; 95.4,7.75 v1(95.4,11.4) ; v1(225.75,130.25) 197.75,130.25 v1(197.5,130.5) ; 309,52.5 307.5,54 SIGNALNETZ1.1 ; 309,52.5 309,63.25 308.01,64.24 293.76,64.24 292.75,65.25 D131.2 v1(283.8,65.25) C159.2 v1(276.5,65.25) ; 309,52.5 309,49.5 ; v1(225.65,47.39) v1(220.17,47.39) v1(215.6,47.39) ; 302.5,51.46 307.04,51.46 309,49.5 ; v1(297.25,169.73) 297.44,169.54 302.48,169.54 ; v1(233,11.27) 233,5.52 ; v1(285.75,189.5) 294.25,189.5 v1(296.75,192) ; v1(285.25,250.75) 285.25,256.75 ; 7.6,113.6 3.1,113.6 1.5,112 1.5,100.86 ; v1(197.25,11.5) 197.25,8 ; ZUSATZWALZEN1.11 1.61,100.75 1.5,100.86 ; v1(125.75,28.5) v1(154,28.5)
  Bottom w2: v1(125.8,11.25) 125.8,7.8 125.75,7.75 89.85,7.75 89.8,7.8 ; 100.5,28 125.25,28 v1(125.75,28.5)
  vias: v1(197.5,190.25)
